# Allegro board dspeak-v1_00-0b.brd (continued)
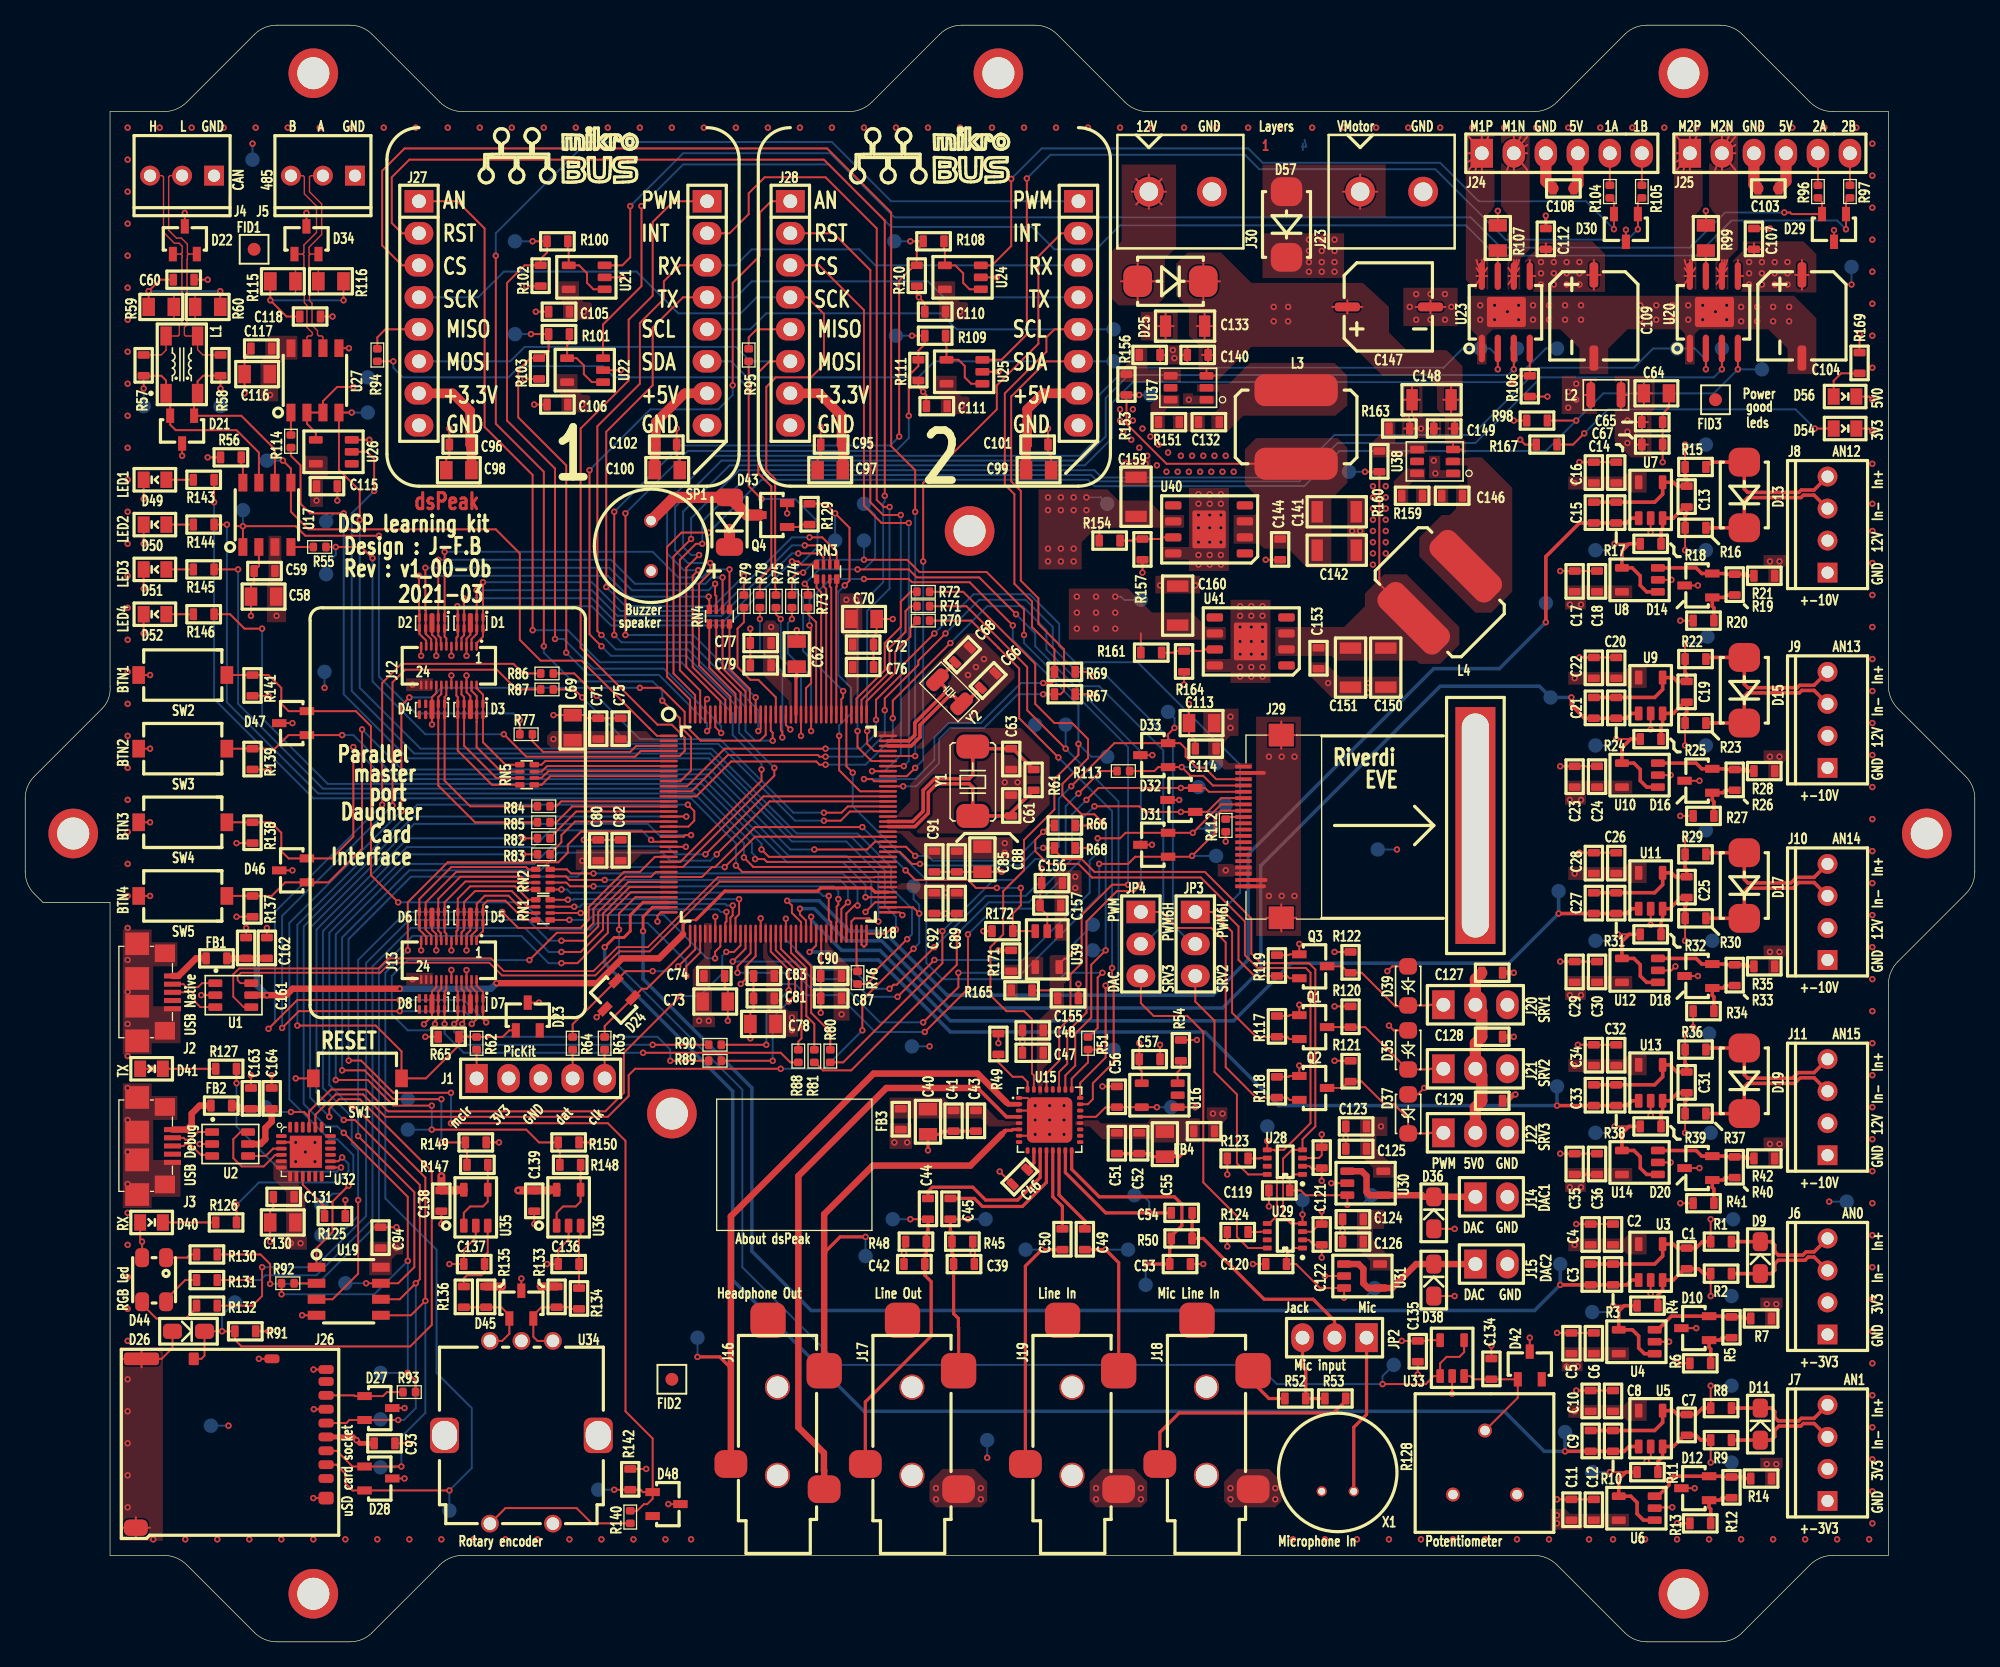
[diagram p0: board, top side]
## Placement (name value [footprint] x y rotation side) (continued)
R89  33R  [0402_RES_IPC]  54.23 46.1 0 top
R90  33R  [0402_RES_IPC]  54.23 47.37 0 top
R91  10k  [0603_RES_IPC]  18.29 24.64 180 top
R92  33R  [0402_RES_IPC]  21.34 28.45 180 top
R93  33R  [0402_RES_IPC]  29.97 19.81 0 top
R94  33R  [0402_RES_IPC]  27.94 101.6 90 top
R95  33R  [0402_RES_IPC]  57.4 101.6 90 top
R96  33R  [0402_RES_IPC]  142.24 115.57 270 top
R97  33R  [0402_RES_IPC]  144.78 115.57 270 top
R98  10k  [0603_RES_IPC]  119.13 96.9 0 top
R99  200mOhm  [0805_RES_IPC]  133.35 110.49 90 top
R100  16k9  [0603_RES_IPC]  41.4 111.12 0 top
R101  16k9  [0603_RES_IPC]  41.53 103.76 0 top
R102  33k  [0603_RES_IPC]  40.89 107.57 90 top
R103  33k  [0603_RES_IPC]  40.77 100.2 90 top
R104  33R  [0402_RES_IPC]  125.73 115.57 270 top
R105  33R  [0402_RES_IPC]  128.27 115.57 270 top
R106  10k  [0603_RES_IPC]  119.38 98.81 90 top
R107  200mOhm  [0805_RES_IPC]  116.84 110.49 90 top
R108  16k9  [0603_RES_IPC]  71.25 111.12 0 top
R109  16k9  [0603_RES_IPC]  71.37 103.63 0 top
R110  33k  [0603_RES_IPC]  70.74 107.57 90 top
R111  33k  [0603_RES_IPC]  70.87 100.08 90 top
R112  0R  [0402_RES_IPC]  95.25 65.28 270 top
R113  33R  [0402_RES_IPC]  87.63 69.09 180 top
R114  33R  [0402_RES_IPC]  21.08 95.76 270 top
R115  60R4  [0805_RES_IPC]  19.55 107.95 0 top
R116  60R4  [0805_RES_IPC]  23.36 107.95 0 top
R117  10k  [0603_RES_IPC]  99.31 48.01 90 top
R118  10k  [0603_RES_IPC]  99.31 43.18 90 top
R119  10k  [0603_RES_IPC]  99.31 52.83 90 top
R120  10k  [0603_RES_IPC]  105.16 48.77 90 top
R121  10k  [0603_RES_IPC]  105.16 44.45 90 top
R122  10k  [0603_RES_IPC]  105.16 53.09 90 top
R123  10k  [0603_RES_IPC]  97.03 38.35 180 top
R124  10k  [0603_RES_IPC]  97.03 32.51 180 top
R125  10k  [0603_RES_IPC]  25.4 33.78 180 top
R126  120R  [0603_RES_IPC]  16.76 33.27 180 top
R127  120R  [0603_RES_IPC]  16.76 45.47 180 top
R128  3386F-1-104TLF  [3386F]  113.28 11.68 0 top
R129  180R  [0603_RES_IPC]  62.23 88.65 90 top
R130  143R  [0603_RES_IPC]  15.24 30.73 180 top
R131  39R2  [0603_RES_IPC]  15.24 28.7 180 top
R132  39R2  [0603_RES_IPC]  15.24 26.67 180 top
R133  10k  [0603_RES_IPC]  42.16 28.19 270 top
R134  10k  [0603_RES_IPC]  43.94 26.42 90 top
R135  10k  [0603_RES_IPC]  36.58 28.19 270 top
R136  10k  [0603_RES_IPC]  34.8 28.19 270 top
R137  10k  [0603_RES_IPC]  18.03 59.18 270 top
R138  10k  [0603_RES_IPC]  18.03 65.02 270 top
R139  10k  [0603_RES_IPC]  18.03 70.87 270 top
R140  33R  [0402_RES_IPC]  48.01 9.4 90 top
R141  10k  [0603_RES_IPC]  18.03 76.71 270 top
R142  10k  [0603_RES_IPC]  48.01 13.72 270 top
R143  120R  [0603_RES_IPC]  14.99 92.2 180 top
R144  120R  [0603_RES_IPC]  14.99 88.65 180 top
R145  120R  [0603_RES_IPC]  14.99 85.09 180 top
R146  120R  [0603_RES_IPC]  14.99 81.53 180 top
R147  10k7  [0603_RES_IPC]  35.05 37.85 0 top
R148  10k7  [0603_RES_IPC]  42.42 37.85 0 top
R149  33k  [0603_RES_IPC]  36.58 39.62 180 top
R150  33k  [0603_RES_IPC]  43.94 39.62 180 top
R151  30R0  [0603_RES_IPC]  89.92 96.77 0 top
R153  34k  [0603_RES_IPC]  87.38 100.58 270 top
R154  169k  [0603_RES_IPC]  86.87 87.38 180 top
R156  10k  [0603_RES_IPC]  88.39 102.11 0 top
R157  30k1  [0603_RES_IPC]  88.65 85.85 90 top
R159  30R0  [0603_RES_IPC]  109.22 90.93 0 top
R160  56k3  [0603_RES_IPC]  107.44 94.49 270 top
R161  274k  [0603_RES_IPC]  90.17 78.49 180 top
R163  10k  [0603_RES_IPC]  108.2 96.27 0 top
R164  30k1  [0603_RES_IPC]  91.95 76.96 90 top
R165  499k  [0603_RES_IPC]  78.23 51.69 0 top
R167  120R  [0603_RES_IPC]  119.89 95 0 top
R169  180R  [0603_RES_IPC]  145.54 102.3 270 top
R171  1Meg  [0603_RES_IPC]  78.23 54.86 270 top
R172  10k  [0603_RES_IPC]  78.36 56.39 180 top
RN1  33R  [RESPACK_4-0804]  41.66 57.28 90 top
RN2  33R  [RESPACK_4-0804]  41.66 59.69 90 top
RN3  33R  [RESPACK_4-0804]  64.39 85.47 180 top
RN4  33R  [RESPACK_4-0804]  55.88 81.92 180 top
RN5  33R  [RESPACK_4-0804]  39.24 69.6 270 top
SP1  Buzzer  [CST-931AP]  49.66 84.96 0 top
SW1  btnsmt  [KSR233G]  22.86 44.7 0 top
SW2  btnsmt  [KSR233G]  16 76.71 180 top
SW3  btnsmt  [KSR233G]  16 70.87 180 top
SW4  btnsmt  [KSR233G]  16 65.02 180 top
SW5  btnsmt  [KSR233G]  16 59.18 180 top
TP1  test_pad  [TP_CIR_45MIL]  133.35 64.39 180 bottom
TP2  test_pad  [TP_CIR_45MIL]  121.67 59.56 180 bottom
TP3  test_pad  [TP_CIR_45MIL]  133.86 55.63 180 bottom
TP4  test_pad  [TP_CIR_45MIL]  124.59 55.63 180 bottom
TP5  test_pad  [TP_CIR_45MIL]  133.6 48.26 180 bottom
TP6  test_pad  [TP_CIR_45MIL]  121.54 44.07 180 bottom
TP7  test_pad  [TP_CIR_45MIL]  133.73 40.39 180 bottom
TP8  test_pad  [TP_CIR_45MIL]  124.59 40.39 180 bottom
TP9  test_pad  [TP_CIR_45MIL]  133.35 95 180 bottom
TP10  test_pad  [TP_CIR_45MIL]  120.65 82.42 180 bottom
TP11  test_pad  [TP_CIR_45MIL]  133.35 86.61 180 bottom
TP12  test_pad  [TP_CIR_45MIL]  124.59 86.61 180 bottom
TP13  test_pad  [TP_CIR_45MIL]  133.48 79.76 180 bottom
TP14  test_pad  [TP_CIR_45MIL]  121.03 74.93 180 bottom
TP15  test_pad  [TP_CIR_45MIL]  133.35 71.12 180 bottom
TP16  test_pad  [TP_CIR_45MIL]  124.59 71.12 180 bottom
TP17  test_pad  [TP_CIR_45MIL]  135.51 33.53 180 bottom
TP18  test_pad  [TP_CIR_45MIL]  121.79 29.97 180 bottom
TP19  test_pad  [TP_CIR_45MIL]  135.38 27.43 180 bottom
TP20  test_pad  [TP_CIR_45MIL]  124.33 26.16 180 bottom
TP21  test_pad  [TP_CIR_45MIL]  135.38 20.32 180 bottom
TP22  test_pad  [TP_CIR_45MIL]  122.17 16.64 180 bottom
TP23  test_pad  [TP_CIR_45MIL]  135.38 14.22 180 bottom
TP24  test_pad  [TP_CIR_45MIL]  124.33 13.46 180 bottom
TP25  test_pad  [TP_CIR_45MIL]  66.55 90.3 180 bottom
TP26  test_pad  [TP_CIR_45MIL]  66.55 87.38 180 bottom
TP27  test_pad  [TP_CIR_45MIL]  85.85 70.23 180 bottom
TP28  test_pad  [TP_CIR_45MIL]  80.14 72.77 180 bottom
TP29  test_pad  [TP_CIR_45MIL]  82.55 72.77 180 bottom
TP30  test_pad  [TP_CIR_45MIL]  86.36 46.99 180 bottom
TP31  test_pad  [TP_CIR_45MIL]  84.71 54.86 180 bottom
TP32  test_pad  [TP_CIR_45MIL]  53.34 24.13 180 bottom
TP33  test_pad  [TP_CIR_45MIL]  90.93 42.42 180 bottom
TP34  test_pad  [TP_CIR_45MIL]  66.67 30.61 180 bottom
TP35  test_pad  [TP_CIR_45MIL]  88.01 35.43 180 bottom
TP36  test_pad  [TP_CIR_45MIL]  88.9 28.32 180 bottom
TP37  test_pad  [TP_CIR_45MIL]  68.83 33.53 180 bottom
TP38  test_pad  [TP_CIR_45MIL]  76.2 33.53 180 bottom
TP39  test_pad  [TP_CIR_45MIL]  87.5 31.12 180 bottom
TP40  test_pad  [TP_CIR_45MIL]  79.38 31.12 180 bottom
TP41  test_pad  [TP_CIR_45MIL]  17.27 89.79 180 bottom
TP42  test_pad  [TP_CIR_45MIL]  23.88 84.71 180 bottom
TP43  test_pad  [TP_CIR_45MIL]  101.35 35.05 180 bottom
TP44  test_pad  [TP_CIR_45MIL]  98.55 40.89 180 bottom
TP45  test_pad  [TP_CIR_45MIL]  86.36 104.14 180 bottom
TP46  test_pad  [TP_CIR_45MIL]  86.36 101.6 180 bottom
TP47  test_pad  [TP_CIR_45MIL]  28.19 13.84 180 bottom
TP48  test_pad  [TP_CIR_45MIL]  28.19 21.34 180 bottom
TP49  test_pad  [TP_CIR_45MIL]  28.19 17.65 180 bottom
TP50  test_pad  [TP_CIR_45MIL]  33.66 10.41 180 bottom
TP51  test_pad  [TP_CIR_45MIL]  23.49 34.67 180 bottom
TP52  test_pad  [TP_CIR_45MIL]  23.49 32.26 180 bottom
TP53  test_pad  [TP_CIR_45MIL]  118.36 102.62 180 bottom
TP54  test_pad  [TP_CIR_45MIL]  115.44 102.62 180 bottom
TP55  test_pad  [TP_CIR_45MIL]  121.54 102.62 180 bottom
TP57  test_pad  [TP_CIR_45MIL]  68.96 111.12 180 bottom
TP58  test_pad  [TP_CIR_45MIL]  69.09 103.63 180 bottom
TP59  test_pad  [TP_CIR_45MIL]  134.62 102.62 180 bottom
TP60  test_pad  [TP_CIR_45MIL]  131.06 102.62 180 bottom
TP61  test_pad  [TP_CIR_45MIL]  137.79 100.97 180 bottom
TP63  test_pad  [TP_CIR_45MIL]  38.86 111.12 180 bottom
TP64  test_pad  [TP_CIR_45MIL]  38.86 103.76 180 bottom
TP65  test_pad  [TP_CIR_45MIL]  23.88 88.9 180 bottom
TP66  test_pad  [TP_CIR_45MIL]  27.18 100.33 180 bottom
TP67  test_pad  [TP_CIR_45MIL]  27.18 97.54 180 bottom
TP68  test_pad  [TP_CIR_45MIL]  106.81 35.43 180 bottom
TP69  test_pad  [TP_CIR_45MIL]  107.06 28.07 180 bottom
TP70  test_pad  [TP_CIR_45MIL]  19.05 42.42 180 bottom
TP71  test_pad  [TP_CIR_45MIL]  70.48 59.94 180 bottom
TP72  test_pad  [TP_CIR_45MIL]  45.47 12.06 180 bottom
TP73  test_pad  [TP_CIR_45MIL]  108.58 21.97 180 bottom
TP74  test_pad  [TP_CIR_45MIL]  30.35 43.05 180 bottom
TP75  test_pad  [TP_CIR_45MIL]  30.35 40.64 180 bottom
TP76  test_pad  [TP_CIR_45MIL]  64.26 87.38 180 bottom
TP77  test_pad  [TP_CIR_45MIL]  89.28 98.93 180 bottom
TP78  test_pad  [TP_CIR_45MIL]  85.85 90.3 180 bottom
TP79  test_pad  [TP_CIR_45MIL]  105.03 92.84 180 bottom
TP80  test_pad  [TP_CIR_45MIL]  88.52 82.68 180 bottom
TP81  test_pad  [TP_CIR_45MIL]  84.71 56.9 180 bottom
TP82  test_pad  [TP_CIR_45MIL]  18.03 117.6 180 bottom
TP83  test_pad  [TP_CIR_45MIL]  23.75 76.96 180 bottom
TP84  test_pad  [TP_CIR_45MIL]  14.73 17.14 180 bottom
TP85  test_pad  [TP_CIR_45MIL]  76.33 16 180 bottom
TP86  test_pad  [TP_CIR_45MIL]  70.36 47.24 180 bottom
TP87  test_pad  [TP_CIR_45MIL]  144.53 34.92 180 bottom
TP88  test_pad  [TP_CIR_45MIL]  107.31 62.86 180 bottom
TP89  test_pad  [TP_CIR_45MIL]  144.91 109.09 180 bottom
TP90  test_pad  [TP_CIR_45MIL]  9.4 98.04 180 bottom
TP91  test_pad  [TP_CIR_45MIL]  15.49 98.04 180 bottom
TP92  test_pad  [TP_CIR_45MIL]  19.18 93.73 180 bottom
TP93  test_pad  [TP_CIR_45MIL]  25.4 28.45 180 bottom
TP94  test_pad  [TP_CIR_45MIL]  16.64 26.92 180 bottom
TP95  test_pad  [TP_CIR_45MIL]  94.49 62.36 180 bottom
TP96  test_pad  [TP_CIR_45MIL]  94.11 64.52 180 bottom
TP97  test_pad  [TP_CIR_45MIL]  95.25 66.42 180 bottom
TP98  test_pad  [TP_CIR_45MIL]  93.09 67.82 180 bottom
TP99  test_pad  [TP_CIR_45MIL]  94.49 69.72 180 bottom
TP100  test_pad  [TP_CIR_45MIL]  90.68 73.79 180 bottom
U1  USBLC6-2  [SOT23-6]  15.09 52.26 270 top
U2  USBLC6-2  [SOT23-6]  14.83 40.45 270 top
U3  TLV333  [SOT23-5]  128.02 28.7 0 top
U4  TLV333  [SOT23-5]  129.29 22.86 90 top
U5  TLV333  [SOT23-5]  128.02 15.49 0 top
U6  TLV333  [SOT23-5]  129.29 9.65 90 top
U7  TLV333  [SOT23-5]  128.02 89.15 0 top
U8  TLV333  [SOT23-5]  129.54 83.31 90 top
U9  TLV333  [SOT23-5]  128.02 73.66 0 top
U10  TLV333  [SOT23-5]  129.54 67.82 90 top
U11  TLV333  [SOT23-5]  128.02 58.17 0 top
U12  TLV333  [SOT23-5]  129.54 52.32 90 top
U13  TLV333  [SOT23-5]  128.02 42.93 0 top
U14  TLV333  [SOT23-5]  129.54 37.08 90 top
U15  SGTL5000XNAA3  [QFN32_0_5MM]  81.28 41.4 0 top
U16  SIT2001B1  [SOT23-5]  91.44 42.42 90 top
U17  SN65HVD233  [SOIC-8]  17.27 86.87 90 top
U18  dsPIC33EP512MU814  [TQFP144_16X16MM]  51.05 71.88 0 top
U19  AT25SF321B  [SOIC-8]  23.11 29.72 0 top
U20  DRV8872  [HSOP8-EP]  132.08 102.62 0 top
U21  MCP6L91  [SOT23-5]  45.97 107.31 90 top
U22  MCP6L91  [SOT23-5]  45.85 99.95 90 top
U23  DRV8872  [HSOP8-EP]  115.57 102.62 0 top
U24  MCP6L91  [SOT23-5]  75.82 107.31 90 top
U25  MCP6L91  [SOT23-5]  75.95 99.82 90 top
U26  SN74LVC1G14  [SOT23-5]  25.91 93.47 90 top
U27  SN65HVD75  [SOIC-8]  21.08 97.54 90 top
U28  AD5245BRJZ5  [SOT23-8]  101.35 37.08 90 top
U29  AD5245BRJZ5  [SOT23-8]  101.35 31.24 90 top
U30  MCP6L91  [SOT23-5]  104.9 37.34 270 top
U31  MCP6L91  [SOT23-5]  104.65 29.97 270 top
U32  CP1202N-QFN24  [QFN24_PAD]  20.32 40.13 0 top
U33  MCP6L91  [SOT23-5]  112.27 21.08 0 top
U34  -  [PEC12R]  39.37 23.88 0 top
U35  MCP6L91  [SOT23-5]  34.8 33.02 0 top
U36  MCP6L91  [SOT23-5]  42.16 33.02 0 top
U37  TPS56339  [SOT23-6]  93.73 98.55 90 top
U38  TPS56339  [SOT23-6]  113.28 92.71 90 top
U39  TC107X  [SOT23-5]  82.04 56.39 180 top
U40  TPS7A7002  [PG-DSO-8]  96.77 86.36 180 top
U41  TPS7A7002  [PG-DSO-8]  100.08 77.47 180 top
X1  CMA-4544PF-W  [CMB-6544PF]  105.41 11.94 270 top
Y1  20.000MHz  [ABM7]  75.18 65.53 90 top
Y2  32.768kHz  [2-SMD_XTAL]  74.29 74.42 135 top

## Library data of the parts
C1-C36 C39-C83 C85 C87-C103 C105-C108 C110-C131 C134-C139 C155 C156 C161-C164 = CAPACITOR NON-POL_0
C104 C109 C147 = CAPACITOR POL_0
C132 C133 C140-C142 C144 C146 C148-C151 C153 C157 C159 C160 = CAP NP_0
D1-D8 = Diode unidir 4ch_5
D9 D11 D13 D15 D17 D19 = DIODE TVS BI-DIR_0
D10 D12 D14 D16 D18 D20 = LM4041_0
D21 D22 D34 = Diode bidir dual SOT23-3_1
D23 D24 D27-D33 D42 D45-D48 = Diode Unidir dual SOT23-3_0
D25 D57 = DIODE SCHOTTKY_0
D26 D35-D39 = DIODE TVS_1
D40 D41 D49-D52 D54 D56 = LED_0
D43 = DIODE_0
D44 = RGB-LED-4PLCC_0
FB1-FB4 = BLM18PG121SN1D_2
FID1-FID3 = Fiducial
J1 = HEADER 5_0
J2 J3 = USB-B_5
J4 J5 J20-J22 = HEADER 3_0
J6-J11 = HEADER 4_1
J12 J13 = CONN_24P_0
J14 J15 J23 = HEADER 2/SM
J16-J19 = SJ-352X-SMT_6
J24 J25 = HEADER 6_0
J26 = DM3AT_uSD_CONNECTOR_3
J27 J28 = MikroBUS_0
J29 = HEADER 22_0
J30 = HEADER 2_0
JP2-JP4 = jumper_0
L1 = CHOKE CM14_2
L2-L4 = INDUCTOR_0
Q1-Q3 = MOSFET N GSD_0
Q4 = NPN BEC_0
R1-R42 R45 R48-R127 R129-R150 R172 = RESISTOR
R128 = POT_0
R151 R153 R154 R156 R157 R159-R161 R163-R165 R167 R169 R171 = RESISTOR_0
RN1-RN5 = RESAR_IS_4/SM
SP1 = Buzzer_0
SW1 = SW_PB_SPST_0
SW2-SW5 = SW PUSHBUTTON
TP1-TP55 TP57-TP61 TP63-TP100 = test_pad
U1 U2 = USBLC6-2_1
U3 U5 U7 U9 U11 U13 = TLV333_2
U4 U6 U8 U10 U12 U14 = TLV333_1
U15 = SGTL5000-QFN32_1
U16 = SIT2001BI-S2-33E-12_0
U17 = SN65HVD233_0
U18 = dsPIC33EP512MU814_0
U19 = AT25512N_0
U20 U23 = DRV8872_1
U21 U22 U24 U25 U33 U35 U36 = TSV991AILT_0
U26 = SN74LVC1G14_0
U27 = SN65HVD75_0
U28 U29 = AD5245_0
U30 U31 = MCP6L91
U32 = CP1202N-QFN24_0
U34 = PEC12R_1
U37 U38 = TPS56339_0
U39 = TC107X_0
U40 U41 = TPS7A7002_2
X1 = CMB-6544PF_4
Y1 Y2 = CRYSTAL_0

## Footprints (pads in the part's own frame, mm; a bottom-side part is the same pattern mirrored in y, then rotated)
2-SMD_XTAL
  rrect 1.1x1.9 smd: 1(0,0) 2(2.7,0)
0402_RES_IPC
  rrect 0.6x0.7 smd: 1(0,0) 2(1,0)
0603_CAP_IPC
  rrect 0.6x0.95 smd: 1(0,0) 2(1.651,0)
0603_FB
  rrect 0.6x0.95 smd: 1(0,0) 2(1.651,0)
0603_RES_IPC
  rrect 0.6x0.95 smd: 1(0,0) 2(1.651,0)
0805_CAP
  rect 1x1.45 smd: 1(-0.1,0) 2(1.9,0)
0805_RES_IPC
  rect 1x1.45 smd: 1(-0.1,0) 2(1.9,0)
1008_IND_IPC
  rrect 0.7x2 smd: 1(0,0) 2(2.4,0)
1206_CAP
  rect 0.9x1.7 smd: 1(-0.2,0) 2(2.9,0)
3386F
  round 1.1 hole 0.75: 1(0,0) 2(2.54,5.08) 3(5.08,0)
ABM7
  rrect 1.9x2.6 smd: 1(0,0) 2(5.5,0)
ACT45B
  rect 1.5x0.9 smd: 1(0,0) 2(0,-2.5) 3(4.55,-2.5) 4(4.55,0)
ALUM_CAP_6_6MM
  rrect 2x0.7 smd: 1(0,0) 2(6.6,0)
CMB-6544PF
  round 0.8 hole 0.55: 1(0,0) 2(0,-2.54)
CST-931AP
  round 1.1 hole 0.75: 1(0,0) 2(0,4)
DF40C-24DS-04V51
  rrect 0.2x0.7 smd: 1(0,0) 2(0,-3.08) 3(-0.4,0) 4(-0.4,-3.08) 5(-0.8,0) 6(-0.8,-3.08) 7(-1.2,0) 8(-1.2,-3.08) 9(-1.6,0) 10(-1.6,-3.08) 11(-2,0) 12(-2,-3.08) 13(-2.4,0) 14(-2.4,-3.08) 15(-2.8,0) 16(-2.8,-3.08) 17(-3.2,0) 18(-3.2,-3.08) 19(-3.6,0) 20(-3.6,-3.08) 21(-4,0) 22(-4,-3.08) 23(-4.4,0) 24(-4.4,-3.08)
DIO_0603
  rect 0.95x1.3 smd: 1(0,0) 2(1.8,0)
DM3AT
  rrect 0.7x1.2 smd: 1(0,0) 2(-1.1,0) 3(-2.2,0) 4(-3.3,0) 5(-4.4,0) 6(-5.5,0) 7(-6.6,0) 8(-7.7,0) 9(-8.65,0) 11(-9.5,-4.3)
  rrect 1x0.8 smd: 10(-9.5,-10.5)
  rrect 1x2.8 smd: 12(-9.5,-14.65)
  rrect 1.3x1.9 smd: 13(3.9,-15.1)
  rrect 1x1.2 smd: 14(1.55,0)
DO-214AA
  rrect 2.286x2.489 smd: 1(0,0) 2(5.207,0)
DO-219AB
  rrect 1.3x1.4 smd: 1(0,0) 2(3.1,0)
FIDUCIAL_CIR40MIL
  round 1.016 smd: 1(0,0)
HSOP8-EP
  oval 0.5x2.2 smd: 1(0,0) 2(1.27,0) 3(2.54,0) 4(3.81,0) 5(3.81,5.75) 6(2.54,5.75) 7(1.27,5.75) 8(0,5.75)
  rrect 3.1x2.4 smd: 9(1.95,2.9)
KSR233G
  rect 1x1.4 smd: 1(0,0) 2(7,0)
MIKROBUS
  rect 2.286x1.778 hole 1.092: 1(2.54,20.32) 16(25.4,20.32)
  oval 2.286x1.778 hole 1.092: 2(2.54,17.78) 3(2.54,15.24) 4(2.54,12.7) 5(2.54,10.16) 6(2.54,7.62) 7(2.54,5.08) 8(2.54,2.54) 9(25.4,2.54) 10(25.4,5.08) 11(25.4,7.62) 12(25.4,10.16) 13(25.4,12.7) 14(25.4,15.24) 15(25.4,17.78)
MINIMELF-SOD80
  rrect 1.397x2.159 smd: 1(0,0) 2(3.937,0)
MOLEX3P100
  rect 1.575x1.575 hole 0.965: 1(0,0)
  round 1.575 hole 0.965: 2(2.54,0) 3(5.08,0)
MOLEX4P100
  rect 1.575x1.575 hole 0.965: 1(0,0)
  round 1.575 hole 0.965: 2(2.54,0) 3(5.08,0) 4(7.62,0)
PEC12R
  round 1.4 hole 1: 1(-2.5,0) 2(0,0) 3(2.5,0) 4(2.5,-14.5) 5(-2.5,-14.5)
  rrect 2.3x2.8 hole 2x2.3: 6(-6.1,-7.5) 7(6.1,-7.5)
PG-DSO-8
  rrect 1.31x0.65 smd: 1(0,0) 2(0,-1.27) 3(0,-2.54) 4(0,-3.81) 5(5.69,-3.81) 6(5.69,-2.54) 7(5.69,-1.27) 8(5.69,0)
  rrect 2.65x3 smd: 9(2.845,-1.905)
QFN24_PAD
  rrect 0.85x0.3 smd: 1(0,0) 2(0,-0.5) 3(0,-1) 4(0,-1.5) 5(0,-2) 6(0,-2.5) 13(3.9,-2.5) 14(3.9,-2) 15(3.9,-1.5) 16(3.9,-1) 17(3.9,-0.5) 18(3.9,0)
  rrect 0.3x0.85 smd: 7(0.7,-3.2) 8(1.2,-3.2) 9(1.7,-3.2) 10(2.2,-3.2) 11(2.7,-3.2) 12(3.2,-3.2) 19(3.2,0.7) 20(2.7,0.7) 21(2.2,0.7) 22(1.7,0.7) 23(1.2,0.7) 24(0.7,0.7)
  rect 2.55x2.55 smd: 25(1.95,-1.25)
QFN32_0_5MM
  rrect 0.5x0.3 smd: 1(-2.425,1.75) 2(-2.425,1.25) 3(-2.425,0.75) 4(-2.425,0.25) 5(-2.425,-0.25) 6(-2.425,-0.75) 7(-2.425,-1.25) 8(-2.425,-1.75) 17(2.425,-1.75) 18(2.425,-1.25) 19(2.425,-0.75) 20(2.425,-0.25) 21(2.425,0.25) 22(2.425,0.75) 23(2.425,1.25) 24(2.425,1.75)
  rrect 0.3x0.5 smd: 9(-1.75,-2.425) 10(-1.25,-2.425) 11(-0.75,-2.425) 12(-0.25,-2.425) 13(0.25,-2.425) 14(0.75,-2.425) 15(1.25,-2.425) 16(1.75,-2.425) 25(1.75,2.425) 26(1.25,2.425) 27(0.75,2.425) 28(0.25,2.425) 29(-0.25,2.425) 30(-0.75,2.425) 31(-1.25,2.425) 32(-1.75,2.425)
  rrect 3.6x3.6 smd: 33(0,0)
RESPACK_4-0804
  rrect 0.43x0.75 smd: 1(0,0) 4(1.6,0) 5(1.6,1.15) 8(0,1.15)
  rrect 0.28x0.75 smd: 2(0.55,0) 3(1.05,0) 6(1.05,1.15) 7(0.55,1.15)
RGB-LED-4PLCC
  rrect 1.1x1.5 smd: 1(0,0) 2(0,3.5) 3(1.9,3.5) 4(1.9,0)
SJ-352X-SMT
  rrect 2.2x2.6 smd: 1(-1.1,-3.7) 3(0.9,3.7)
  rrect 2.8x2.8 smd: 2(8.3,-3.7) 4(12.3,0.75)
  round 2 hole 1.7: 5(0,0) 6(7,0)
SMALL_HEADER2P100
  rect 1.778x2.286 hole 1.092: 1(0,0)
  oval 1.778x2.286 hole 1.092: 2(2.54,0)
SMALL_HEADER3P100
  rect 1.778x2.286 hole 1.092: 1(0,0)
  oval 1.778x2.286 hole 1.092: 2(2.54,0) 3(5.08,0)
SMALL_HEADER5P100
  rect 1.778x2.286 hole 1.092: 1(0,0)
  oval 1.778x2.286 hole 1.092: 2(2.54,0) 3(5.08,0) 4(7.62,0) 5(10.16,0)
SMALL_HEADER6P100
  rect 1.778x2.286 hole 1.092: 1(0,0)
  oval 1.778x2.286 hole 1.092: 2(2.54,0) 3(5.08,0) 4(7.62,0) 5(10.16,0) 6(12.7,0)
SOD323
  rrect 1.5x1.2 smd: 1(0,0) 2(2.54,0)
SOIC-8
  rect 1.397x0.711 smd: 1(0,0) 2(0,-1.27) 3(0,-2.54) 4(0,-3.81) 5(5.105,-3.81) 6(5.105,-2.54) 7(5.105,-1.27) 8(5.105,0)
SOT23-3
  rect 1.143x0.635 smd: 1(0,-0.061) 2(0,-1.961) 3(2.2,-1.011)
SOT23-5
  rrect 0.6x1.1 smd: 1(0,0) 2(0.95,0) 3(1.9,0) 4(1.9,2.85) 5(0,2.85)
SOT23-6
  rrect 0.6x1.1 smd: 1(0,0) 2(0.95,0) 3(1.9,0) 4(1.9,2.85) 5(0.95,2.85) 6(0,2.85)
SOT23-8
  rrect 0.38x0.7 smd: 1(0,0) 2(0.65,0) 3(1.3,0) 4(1.95,0) 5(1.95,2.8) 6(1.3,2.8) 7(0.65,2.8) 8(0,2.8)
SRN8040TA
  rrect 2.54x6.604 smd: 1(0,0) 2(5.842,0)
TERMBLOCK_5MM_2POS
  round 2.362 hole 1.473: 1(0,0) 2(5,0)
TP_CIR_45MIL
  round 1.143 smd: 1(0,0)
TQFP144_16X16MM
  oval 1.45x0.2 smd: 1(0,0) 2(0,-0.4) 3(0,-0.8) 4(0,-1.2) 5(0,-1.6) 6(0,-2) 7(0,-2.4) 8(0,-2.8) 9(0,-3.2) 10(0,-3.6) 11(0,-4) 12(0,-4.4) 13(0,-4.8) 14(0,-5.2) 15(0,-5.6) 16(0,-6) 17(0,-6.4) 18(0,-6.8) 19(0,-7.2) 20(0,-7.6) 21(0,-8) 22(0,-8.4) 23(0,-8.8) 24(0,-9.2) 25(0,-9.6) 26(0,-10) 27(0,-10.4) 28(0,-10.8) 29(0,-11.2) 30(0,-11.6) 31(0,-12) 32(0,-12.4) 33(0,-12.8) 34(0,-13.2) 35(0,-13.6) 36(0,-14) 73(17.4,-14) 74(17.4,-13.6) 75(17.4,-13.2) 76(17.4,-12.8) 77(17.4,-12.4) 78(17.4,-12) 79(17.4,-11.6) 80(17.4,-11.2) 81(17.4,-10.8) 82(17.4,-10.4) 83(17.4,-10) 84(17.4,-9.6) 85(17.4,-9.2) 86(17.4,-8.8) 87(17.4,-8.4) 88(17.4,-8) 89(17.4,-7.6) 90(17.4,-7.2) 91(17.4,-6.8) 92(17.4,-6.4) 93(17.4,-6) 94(17.4,-5.6) 95(17.4,-5.2) 96(17.4,-4.8) 97(17.4,-4.4) 98(17.4,-4) 99(17.4,-3.6) 100(17.4,-3.2) 101(17.4,-2.8) 102(17.4,-2.4) 103(17.4,-2) 104(17.4,-1.6) 105(17.4,-1.2) 106(17.4,-0.8) 107(17.4,-0.4) 108(17.4,0)
  oval 0.2x1.45 smd: 37(1.7,-15.7) 38(2.1,-15.7) 39(2.5,-15.7) 40(2.9,-15.7) 41(3.3,-15.7) 42(3.7,-15.7) 43(4.1,-15.7) 44(4.5,-15.7) 45(4.9,-15.7) 46(5.3,-15.7) 47(5.7,-15.7) 48(6.1,-15.7) 49(6.5,-15.7) 50(6.9,-15.7) 51(7.3,-15.7) 52(7.7,-15.7) 53(8.1,-15.7) 54(8.5,-15.7) 55(8.9,-15.7) 56(9.3,-15.7) 57(9.7,-15.7) 58(10.1,-15.7) 59(10.5,-15.7) 60(10.9,-15.7) 61(11.3,-15.7) 62(11.7,-15.7) 63(12.1,-15.7) 64(12.5,-15.7) 65(12.9,-15.7) 66(13.3,-15.7) 67(13.7,-15.7) 68(14.1,-15.7) 69(14.5,-15.7) 70(14.9,-15.7) 71(15.3,-15.7) 72(15.7,-15.7) 109(15.7,1.7) 110(15.3,1.7) 111(14.9,1.7) 112(14.5,1.7) 113(14.1,1.7) 114(13.7,1.7) 115(13.3,1.7) 116(12.9,1.7) 117(12.5,1.7) 118(12.1,1.7) 119(11.7,1.7) 120(11.3,1.7) 121(10.9,1.7) 122(10.5,1.7) 123(10.1,1.7) 124(9.7,1.7) 125(9.3,1.7) 126(8.9,1.7) 127(8.5,1.7) 128(8.1,1.7) 129(7.7,1.7) 130(7.3,1.7) 131(6.9,1.7) 132(6.5,1.7) 133(6.1,1.7) 134(5.7,1.7) 135(5.3,1.7) 136(4.9,1.7) 137(4.5,1.7) 138(4.1,1.7) 139(3.7,1.7) 140(3.3,1.7) 141(2.9,1.7) 142(2.5,1.7) 143(2.1,1.7) 144(1.7,1.7)
UDFN-10
  rrect 0.25x0.675 smd: 1(0,0) 2(0.5,0) 4(1.5,0) 5(2,0) 6(2,0.875) 7(1.5,0.875) 8(0.5,0.875) 9(0,0.875)
  rrect 0.4x1.55 smd: 3(1,0.437)
unnamed
  round 3.937 hole 2.54: (0,0)
unnamed#2
  rect 18.796x3.175 hole 17.78x2.159: 1(0,0)
USB-B
  rect 0.4x1.35 smd: 1(0,0) 2(0.65,0) 3(1.3,0) 4(1.95,0) 5(2.6,0)
  rect 1.4x1.6 smd: 6(-1.8,-0.6) 7(4.35,-0.6)
  rect 1.8x1.9 smd: 8(-2.55,-2.8) 9(0.2,-2.8) 10(2.4,-2.8) 11(5.15,-2.8)
ZIF20
  rect 1.3x0.3 smd: 1(2.4,-9.5) 2(2.4,-9) 3(2.4,-8.5) 4(2.4,-8) 5(2.4,-7.5) 6(2.4,-7) 7(2.4,-6.5) 8(2.4,-6) 9(2.4,-5.5) 10(2.4,-5) 11(2.4,-4.5) 12(2.4,-4) 13(2.4,-3.5) 14(2.4,-3) 15(2.4,-2.5) 16(2.4,-2) 17(2.4,-1.5) 18(2.4,-1) 19(2.4,-0.5) 20(2.4,0)
  rect 2x1.8 smd: 21(-0.6,2.5) 22(-0.6,-12)

## Nets
1V65_REF_P6: D12.2 R12.2 R14.1 U6.3
1V65_REF_P10: D14.2 R19.2 R21.1 U8.3
1V65_REF_P13: D16.2 R26.2 R28.1 U10.3
1V65_REF_P14: D18.2 R33.2 R35.1 U12.3
1V65_REF_P15: D20.2 R40.2 R42.1 U14.3
1V65_REF_P20: D10.2 R5.2 R7.1 U4.3
12V: C133.2 C140.2 C147.1 C148.2 C149.2 D25.1(CATHODE) J8.2 J9.2 J10.2 J11.2 U37.3(VIN) U38.3(VIN)
AVDD_3V3: C2.1 C4.1 C5.1 C6.1 C8.1 C10.1 C11.1 C12.1 C14.1 C16.1 C17.1 C18.1 C20.1 C22.1 C23.1 C24.1 C26.1 C28.1 C29.1 C30.1 C32.1 C34.1 C35.1 C36.1 C64.1 C65.1 C67.1 C73.1 C74.1 C121.1 C122.1 C123.1 C124.1 C125.1 C126.1 C135.1 FB3.1 J6.2 J7.2 L2.1 R7.2 R14.2 R21.2 R28.2 R35.2 R42.2 R123.2 R128.1 U3.5 U4.5 U5.5 U6.5 U7.5 U8.5 U9.5 U10.5 U11.5 U12.5 U13.5 U14.5 U18.40 U18.41 U28.2 U29.2 U30.5 U31.5 U33.5
DGND: C2.2 C4.2 C5.2 C6.2 C8.2 C10.2 C11.2 C12.2 C14.2 C16.2 C17.2 C18.2 C20.2 C22.2 C23.2 C24.2 C26.2 C28.2 C29.2 C30.2 C32.2 C34.2 C35.2 C36.2 C39.2 C40.2 C41.2 C42.2 C43.2 C46.2 C47.2 C48.2 C51.2 C52.2 C53.1 C55.2 C56.2 C57.2 C58.2 C59.2 C60.2 C61.2 C62.2 C63.2 C64.2 C65.2 C66.2 C67.2 C68.2 C69.2 C70.2 C71.2 C72.2 C73.2 C74.2 C75.2 C76.2 C77.2 C78.2 C79.2 C80.2 C81.2 C82.2 C83.2 C85.2 C87.2 C88.2 C89.2 C90.2 C91.2 C92.2 C93.2 C94.2 C95.2 C96.2 C97.2 C98.2 C99.2 C100.2 C101.2 C102.2 C103.2 C104.2 C105.2 C106.2 C107.2 C108.2 C109.2 C110.2 C111.2 C112.2 C113.2 C114.2 C115.2 C116.2 C117.2 C118.1 C119.2 C120.2 C121.2 C122.2 C123.2 C124.2 C125.2 C126.2 C127.2 C128.2 C129.2 C130.2 C131.2 C133.1 C134.2 C135.2 C136.2 C137.2 C138.2 C139.2 C140.1 C141.1 C142.1 C144.1 C147.2 C148.1 C149.1 C150.1 C151.1 C153.1 C155.1 C156.2 C157.1 C159.1 C160.1 C161.2 C162.2 C163.2 C164.2 D1.3(GND) D2.3(GND) D3.3(GND) D4.3(GND) D5.3(GND) D6.3(GND) D7.3(GND) D8.3(GND) D10.3 D12.3 D14.3 D16.3 D18.3 D20.3 D21.3 D22.3 D23.3 D24.3 D26.1 D27.3 D28.3 D29.3 D30.3 D31.3 D32.3 D33.3 D34.3 D35.1 D36.1 D37.1 D38.1 D39.1 D42.3 D45.3 D46.3 D47.3 D48.3 D49.1(CATHODE) D50.1(CATHODE) D51.1(CATHODE) D52.1(CATHODE) D54.1(CATHODE) D56.1(CATHODE) J1.3 J2.5(V-) J2.6 J2.7 J2.8 J2.9 J2.10 J2.11 J3.5(V-) J3.6 J3.7 J3.8 J3.9 J3.10 J3.11 J4.1 J5.1 J6.1 J7.1 J8.1 J9.1 J10.1 J11.1 J12.5 J12.6 J12.11 J12.12 J12.17 J12.18 J12.23 J13.5 J13.6 J13.11 J13.12 J13.17 J13.18 J13.23 J14.2 J15.2 J17.1 J18.1 J19.1 J20.3 J21.3 J22.3 J23.2 J24.3 J25.3 J26.6(VSS) J26.9 J26.11 J26.12 J26.13 J26.14 J27.8 J27.9 J28.8 J28.9 J29.2 J29.19 J29.20 J29.21 J29.22 J30.2 Q4.2(E) R6.1 R13.1 R20.1 R27.1 R34.1 R41.1 R45.1 R48.1 R56.1 R99.2 R102.1 R103.1 R107.2 R110.1 R111.1 R112.2 R124.2 R128.3 R149.1 R150.1 R156.2 R157.1 R163.2 R164.1 R171.1 R172.2 SW1.1 SW2.2 SW3.2 SW4.2 SW5.2 TP82.1(TEST) TP83.1(TEST) TP84.1(TEST) TP85.1(TEST) TP86.1(TEST) TP87.1(TEST) TP88.1(TEST) TP89.1(TEST) U1.2 U2.2 U3.2(V-) U4.2(V-) U5.2(V-) U6.2(V-) U7.2(V-) U8.2(V-) U9.2(V-) U10.2(V-) U11.2(V-) U12.2(V-) U13.2(V-) U14.2(V-) U15.1 U15.3 U15.7 U15.33 U16.1 U17.2 U18.23 U18.36 U18.42 U18.51 U18.63 U18.73 U18.92 U18.108 U18.125 U18.141 U19.4 U20.1 U20.9 U21.2(V-) U22.2(V-) U23.1 U23.9 U24.2(V-) U25.2(V-) U26.3 U27.5 U28.3 U29.3 U30.2(V-) U31.2(V-) U32.2 U32.25 U33.2(V-) U34.2 U34.4 U34.6 U34.7 U35.2(V-) U36.2(V-) U37.1 U38.1 U39.2 U40.8 U40.9(PAD) U41.8 U41.9(PAD) X1.2
DVDD_1V8: C47.1 C48.1 C155.2 R165.2 TP81.1(TEST) U15.30 U39.5(VOUT)
DVDD_3V3: C57.1 C58.1 C59.1 C69.1 C70.1 C71.1 C72.1 C75.1 C76.1 C77.1 C78.1 C79.1 C80.1 C81.1 C82.1 C83.1 C85.1 C87.1 C88.1 C89.1 C90.1 C91.1 C92.1 C93.1 C94.1 C95.1 C96.1 C97.1 C98.1 C113.1 C114.1 C115.1 C116.1 C117.1 C130.1 C131.1 C156.1 C157.2 C159.2 D40.2 D41.2 D43.1(K) D44.4 FB4.2 J1.2 J12.20 J12.22 J12.24 J13.20 J13.22 J13.24 J26.4 J27.7 J28.7 J29.1 J29.17 J29.18 L2.2 Q1.1 Q2.1 Q3.1 R49.1 R54.1 R65.1 R66.1 R67.1 R68.1 R69.1 R91.1 R98.1 R106.1 R117.2 R118.2 R119.2 R125.1 R137.2 R138.2 R139.2 R141.2 R142.1 R154.2 R167.1 SP1.1 TP78.1(TEST) U16.4(VDD) U17.3(VCC) U18.2 U18.24 U18.52 U18.64 U18.78 U18.89 U18.112 U18.124 U19.8 U26.5 U27.8(VCC) U32.5 U32.6 U32.7(VREGIN) U32.8 U39.1 U40.6
DVDD_3V5: C141.2 C142.2 C144.2 L3.2 R153.2 TP77.1(TEST) U40.2 U40.3
DVDD_5V0: C99.1 C100.1 C101.1 C102.1 C103.1 C105.1 C106.1 C108.1 C110.1 C111.1 C127.1 C128.1 C129.1 C138.1 C139.1 C160.2 J20.2 J21.2 J22.2 J24.4 J25.4 J27.10 J28.10 R120.2 R121.2 R122.2 R133.1 R135.1 R161.2 R169.1 TP80.1(TEST) U21.5 U22.5 U24.5 U25.5 U35.5 U36.5 U41.6
DVDD_5V2: C150.2 C151.2 C153.2 L4.2 R160.2 TP79.1(TEST) U41.2 U41.3
485_A: D34.2(CAT2) J5.2 R116.1 U27.6
485_B: D34.1 J5.3 R115.2 U27.7
AIN_AN0: C3.2 R3.2 TP18.1(TEST) U3.1 U18.35
AIN_AN1: C9.2 R10.2 TP22.1(TEST) U5.1 U18.34
AIN_AN2_POT: TP73.1(TEST) U18.33 U33.1 U33.4
AIN_AN12: C15.2 R17.2 TP10.1(TEST) U7.1 U18.59
AIN_AN13: C21.2 R24.2 TP14.1(TEST) U9.1 U18.60
AIN_AN14: C27.2 R31.2 TP2.1(TEST) U11.1 U18.61
AIN_AN15: C33.2 R38.2 TP6.1(TEST) U13.1 U18.62
AN0-V-: D9.1 J6.3 R2.1
AN0_V+: D9.2 J6.4 R1.1
AN1_V+: D11.2 J7.4 R8.1
AN1_V-: D11.1 J7.3 R9.1
AN12_V+: D13.2 J8.4 R15.1
AN12_V-: D13.1 J8.3 R16.1
AN13_V+: D15.2 J9.4 R22.1
AN13_V-: D15.1 J9.3 R23.1
AN14_V+: D17.2 J10.4 R29.1
AN14_V-: D17.1 J10.3 R30.1
AN15_V+: D19.2 J11.4 R36.1
AN15_V-: D19.1 J11.3 R37.1
ASCL1: J27.12 J28.12 R69.2 TP45.1(TEST) U18.99
ASCL2: R68.2 TP43.1(TEST) U18.85 U28.4 U29.4
ASDA1: J27.11 J28.11 R67.2 TP46.1(TEST) U18.98
ASDA2: R66.2 TP44.1(TEST) U18.86 U28.5 U29.5
BTN_1: D47.2(CAT2) R141.1 SW2.1 U18.39
BTN_2: D47.1 R139.1 SW3.1 U18.75
BTN_3: D46.2(CAT2) R138.1 SW4.1 U18.76
BTN_4: D46.1 R137.1 SW5.1 U18.87
BUZZER: R129.2 TP76.1(TEST) U18.97
CAN_LBK: TP92.1(TEST) U17.5 U18.1
CAN_RX: R55.2 TP42.1(TEST) U18.4
CAN_TX: R77.1 TP41.1(TEST) U17.1
CANH: D22.1 J4.3 L1.4 R57.1 R59.2
CANL: D22.2(CAT2) J4.2 L1.3 R58.1 R60.1
CODEC_ENABLE: R172.1 U18.29 U39.3
DRV1_OUTA: J24.2 U23.6
DRV1_OUTB: J24.1 U23.8
DRV2_OUTA: J25.2 U20.6
DRV2_OUTB: J25.1 U20.8
ENC_A: C137.1 R136.1 U35.3
ENC_B: C136.1 R134.2 U36.3
FLASH_NCS: TP51.1(TEST) U18.129 U19.1
FLASH_NHOLD: TP93.1(TEST) U18.25 U19.7
FLASH_NWP: TP52.1(TEST) U18.22 U19.3(W\P\)
FT8XX_NINT: D31.2(CAT2) J29.7 TP96.1(TEST) U18.48
FT8XX_NPD: D31.1 J29.8 TP95.1(TEST) U18.49
I2S_COFS: R70.1 TP28.1(TEST) U15.23
I2S_DIN: R51.2 U18.113
I2S_DOUT: R72.1 TP31.1(TEST) U15.26
I2S_SCLK: R71.1 TP29.1(TEST) U15.24
LED_1: R143.1 U18.81
LED_2: R144.1 U18.82
LED_3: R145.1 U18.83
LED_4: R146.1 U18.84
MKB1_AIN: J27.1 U18.26
MKB1_INT: J27.15 U18.105
MKB1_NCS: J27.3 U18.104
MKB1_PWM: J27.16 U18.5
MKB1_RST: J27.2 U18.103
MKB2_AIN: J28.1 U18.27
MKB2_INT: J28.15 U18.100
MKB2_NCS: J28.3 U18.102
MKB2_PWM: J28.16 U18.10
MKB2_RST: J28.2 U18.101
N839560_P10: C13.1 C15.1 R15.2 R17.1 TP9.1(TEST) U7.4
N839560_P13: C19.1 C21.1 R22.2 R24.1 TP13.1(TEST) U9.4
N839560_P14: C25.1 C27.1 R29.2 R31.1 TP1.1(TEST) U11.4
N839560_P15: C31.1 C33.1 R36.2 R38.1 TP5.1(TEST) U13.4
N839602_P10: C13.2 R16.2 R18.1 TP11.1(TEST) U7.3
N839602_P13: C19.2 R23.2 R25.1 TP15.1(TEST) U9.3
N839602_P14: C25.2 R30.2 R32.1 TP3.1(TEST) U11.3
N839602_P15: C31.2 R37.2 R39.1 TP7.1(TEST) U13.3
N839644_P10: R18.2 TP12.1(TEST) U8.1 U8.4
N839644_P13: R25.2 TP16.1(TEST) U10.1 U10.4
N839644_P14: R32.2 TP4.1(TEST) U12.1 U12.4
N839644_P15: R39.2 TP8.1(TEST) U14.1 U14.4
N839657_P4: R99.1 U20.7
N839657_P5: R107.1 U23.7
N843649_P4: D29.2(CAT2) R96.2 U21.3
N843649_P5: D30.2(CAT2) R104.2 U24.3
N844403_P4: R101.2 U22.1 U22.4
N844403_P5: R109.2 U25.1 U25.4
N846095_P4: D29.1 R97.2 U22.3
N846095_P5: D30.1 R105.2 U25.3
N974265_P4: R100.2 U21.1 U21.4
N974265_P5: R108.2 U24.1 U24.4
N992554_P10: D14.1(FB) R19.1 R20.2
N992554_P13: D16.1(FB) R26.1 R27.2
N992554_P14: D18.1(FB) R33.1 R34.2
N992554_P15: D20.1(FB) R40.1 R41.2
N994718_P6: C7.1 C9.1 R8.2 R10.1 TP21.1(TEST) U5.4
N994718_P20: C1.1 C3.1 R1.2 R3.1 TP17.1(TEST) U3.4
N995010_P6: C7.2 R9.2 R11.1 TP23.1(TEST) U5.3
N995010_P20: C1.2 R2.2 R4.1 TP19.1(TEST) U3.3
N995406_P6: R11.2 TP24.1(TEST) U6.1 U6.4
N995406_P20: R4.2 TP20.1(TEST) U4.1 U4.4
N995498_P6: D12.1(FB) R12.1 R13.2
N995498_P20: D10.1(FB) R5.1 R6.2
NFAULT1: R106.2 TP55.1(TEST) U18.138 U23.4
NFAULT2: R98.2 TP61.1(TEST) U18.144 U20.4
OSC1: C61.1 R61.1 U18.90 Y1.1
OSC2: C63.1 R61.2 U18.91(RC15/OSC2) Y1.2
PMA0: D1.1 D1.9 J12.1 RN3.1
PMA1: D1.2 D1.8 J12.3 RN3.2
PMA2: D1.4 D1.7 J12.7 RN3.3
PMA3: D1.5 D1.6 J12.9 RN3.4
PMA4: D2.1 D2.9 J12.13 RN4.1
PMA5: D2.2 D2.8 J12.15 RN4.2
PMA6: D2.4 D2.7 J12.19 RN4.3
PMA7: D2.5 D2.6 J12.21 RN4.4
PMA8: D3.1 D3.9 J12.2 RN5.1
PMA9: D3.2 D3.8 J12.4 RN5.2
PMA10: D3.4 D3.7 J12.8 RN5.3
PMA11: D3.5 D3.6 J12.10 RN5.4
PMA12: D4.1 D4.9 J12.14 R84.1
PMA13: D4.2 D4.8 J12.16 R85.1
PMBE: D8.1 D8.9 J13.14 R88.1
PMCS1: D7.1 D7.9 J13.2 R86.1
PMCS2: D7.2 D7.8 J13.4 R87.1
PMD0: D5.1 D5.9 J13.1 RN1.8
PMD1: D5.2 D5.8 J13.3 RN1.7
PMD2: D5.4 D5.7 J13.7 RN1.6
PMD3: D5.5 D5.6 J13.9 RN1.5
PMD4: D6.1 D6.9 J13.13 RN2.8
PMD5: D6.2 D6.8 J13.15 RN2.7
PMD6: D6.4 D6.7 J13.19 RN2.6
PMD7: D6.5 D6.6 J13.21 RN2.5
PMP_GPIO: D8.2 D8.8 J13.16 U18.28
PMRD: D7.5 D7.6 J13.10 R90.1
PMWR: D7.4 D7.7 J13.8 R89.1
PWM1H: TP54.1(TEST) U18.137 U23.2
PWM1L: TP53.1(TEST) U18.136 U23.3
PWM2H: TP60.1(TEST) U18.143 U20.2
PWM2L: TP59.1(TEST) U18.142 U20.3
PWM5H: Q3.2(S) R119.1 U18.11
PWM6H: JP4.2 U18.13
PWM6L: JP3.2 U18.12
QEA1: R108.1 R110.2 TP57.1(TEST) U18.130
QEA1_IN: J24.5 R104.1
QEA2: R100.1 R102.2 TP63.1(TEST) U18.139
QEA2_IN: J25.5 R96.1
QEB1: R109.1 R111.2 TP58.1(TEST) U18.131
QEB1_IN: J24.6 R105.1
QEB2: R101.1 R103.2 TP64.1(TEST) U18.140
QEB2_IN: J25.6 R97.1
RCDAC1: D36.2(CATHODE) J14.1 U30.1 U30.4
RCDAC2: D38.2(CATHODE) J15.1 U31.1 U31.4
ROT_ENC_A: R147.1 R149.2 TP74.1(TEST) U18.95
ROT_ENC_B: R148.1 R150.2 TP75.1(TEST) U18.96
ROT_ENC_SW: D48.1 R140.2 R142.2 TP72.1(TEST) U18.88
RSTB: R125.2 U32.9
RX_LED: R127.1 U32.13
SD_NCS: D28.2(CAT2) J26.2 TP50.1(TEST) U18.20
SD_NDETECT: D26.2(CATHODE) J26.10 R91.2 TP94.1(TEST) U18.21
SERVO1: D39.2(CATHODE) J20.1 Q3.3 R122.1
SERVO2: D35.2(CATHODE) J21.1 Q1.3 R120.1
SERVO3: D37.2(CATHODE) J22.1 Q2.3 R121.1
SOSCI: C66.1 U18.106 Y2.1
SOSCO: C68.1 U18.107 Y2.2
SPI1_MISO: R113.2 U18.56
SPI1_MOSI: D32.2(CAT2) J29.5 R81.1 TP98.1(TEST)
SPI1_NCS: D32.1 J29.6 TP97.1(TEST) U18.50
SPI1_SCLK: D33.2(CAT2) J29.3 R80.1 TP100.1(TEST)
SPI2_MISO: R92.2 R93.2 TP48.1(TEST) U18.17
